# Allegro board 1156197-TDI_VU3P_QSFP28_CXP_V001_1023A-166-20241121_1644_PCB.brd (continued)
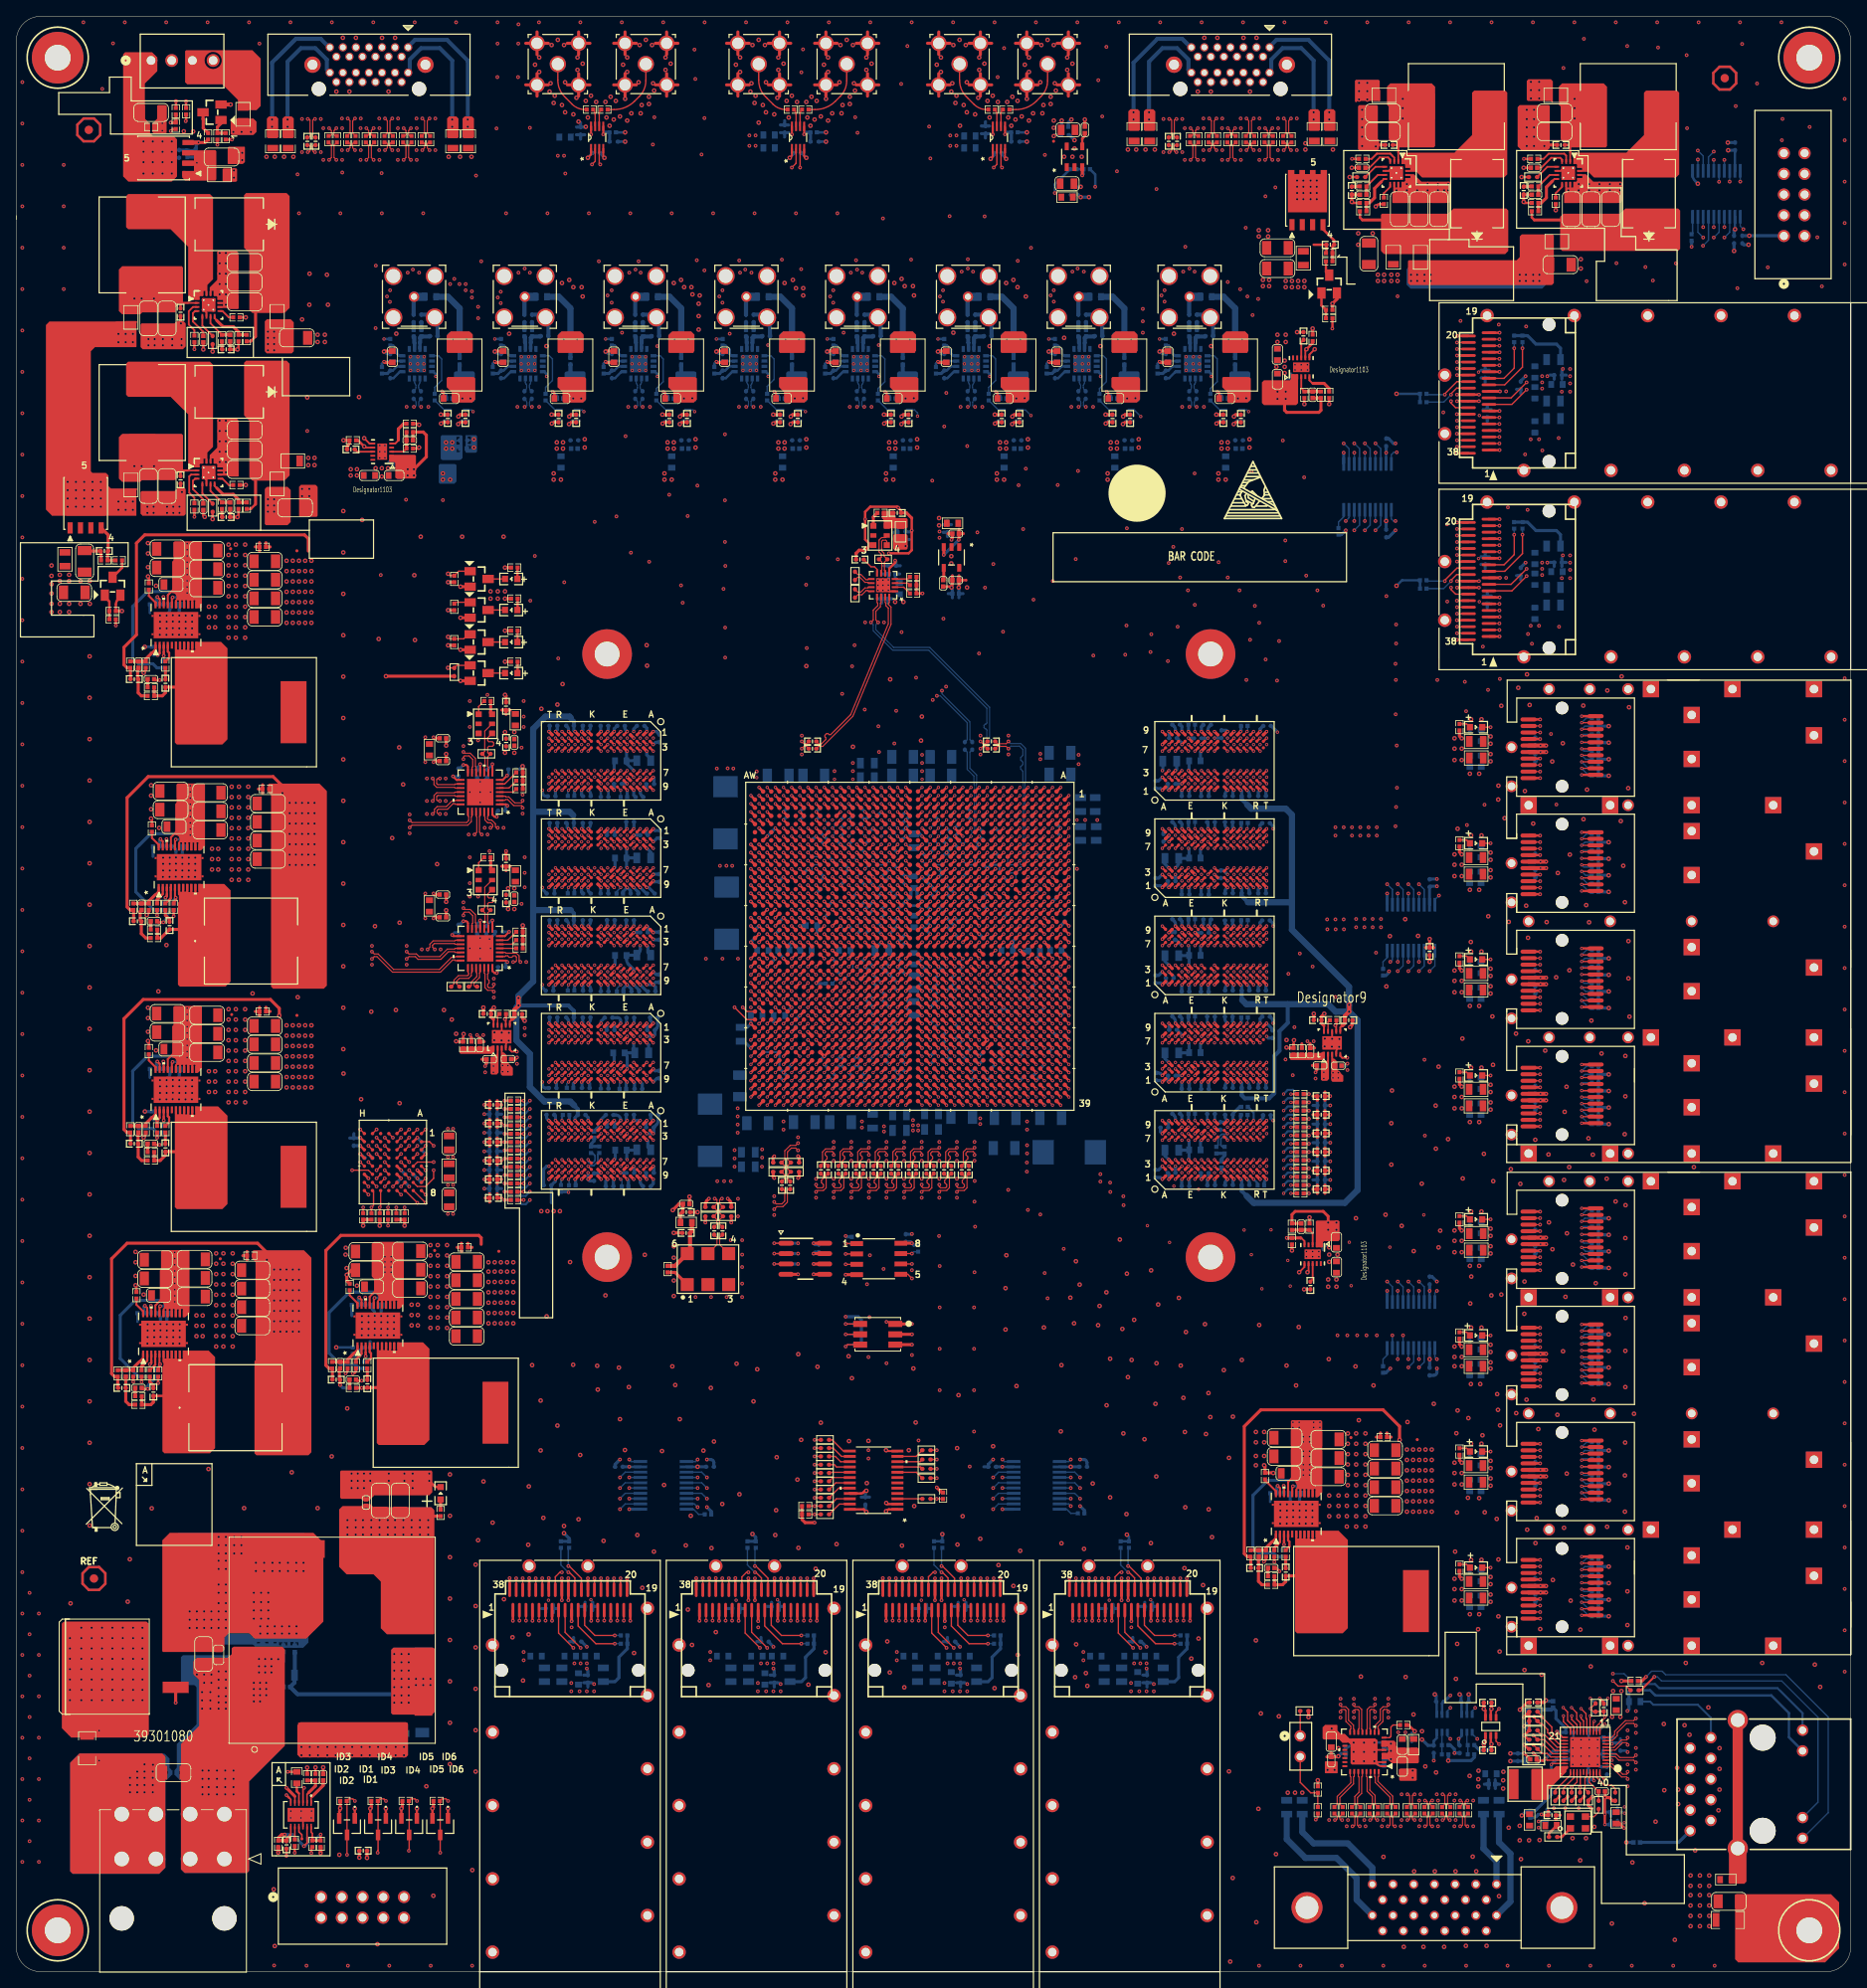
[diagram p0: board, top side]
## Nets (continued)
CHA_QSFP4_VCCRX: C496.1 C497.1(CAP2) J9.10(VCCRX) L28.2
CHA_QSFP4_VCCTX: C498.1 C499.1(CAP2) J9.29(VCCTX) L29.2
CHA_QSFP5_I2C_SCL: J11.11(SCL) R258.2 R511.2
CHA_QSFP5_I2C_SDA: J11.12(SDA) R259.2 R510.2
CHA_QSFP5_INTL: J11.28(INTL) R261.2
CHA_QSFP5_LPMODE: J11.31(LPMODE) U22.12(B8)
CHA_QSFP5_LPMODE_1V8: U1.P26(IO_L19N_T3L_N1_DBC_AD9N_45) U22.9(A8)
CHA_QSFP5_MODPRSL: J11.27(MODPRSL) R260.2 U22.13(B7)
CHA_QSFP5_MODPRSL_1V8: U1.M24(IO_L22P_T3U_N6_DBC_AD0P_45) U22.8(A7)
CHA_QSFP5_MODSEIL: J11.8(MODSELL) U22.15(B5)
CHA_QSFP5_MODSEIL_1V8: U1.N24(IO_L21N_T3L_N5_AD8N_45) U22.6(A5)
CHA_QSFP5_RESETL: J11.9(RESETL) U22.14(B6)
CHA_QSFP5_RESETL_1V8: U1.P25(IO_L19P_T3L_N0_DBC_AD9P_45) U22.7(A6)
CHA_QSFP5_RX0_N: J11.18(RX1N) U1.AL39(MGTYRXN0_125)
CHA_QSFP5_RX0_P: J11.17(RX1P) U1.AL38(MGTYRXP0_125)
CHA_QSFP5_RX1_N: J11.21(RX2N) U1.AJ39(MGTYRXN1_125)
CHA_QSFP5_RX1_P: J11.22(RX2P) U1.AJ38(MGTYRXP1_125)
CHA_QSFP5_RX2_N: J11.15(RX3N) U1.AG39(MGTYRXN2_125)
CHA_QSFP5_RX2_P: J11.14(RX3P) U1.AG38(MGTYRXP2_125)
CHA_QSFP5_RX3_N: J11.24(RX4N) U1.AE39(MGTYRXN3_125)
CHA_QSFP5_RX3_P: J11.25(RX4P) U1.AE38(MGTYRXP3_125)
CHA_QSFP5_TX0_N: J11.37(TX1N) U1.AM36(MGTYTXN0_125)
CHA_QSFP5_TX0_P: J11.36(TX1P) U1.AM35(MGTYTXP0_125)
CHA_QSFP5_TX1_N: J11.2(TX2N) U1.AK36(MGTYTXN1_125)
CHA_QSFP5_TX1_P: J11.3(TX2P) U1.AK35(MGTYTXP1_125)
CHA_QSFP5_TX2_N: J11.34(TX3N) U1.AH36(MGTYTXN2_125)
CHA_QSFP5_TX2_P: J11.33(TX3P) U1.AH35(MGTYTXP2_125)
CHA_QSFP5_TX3_N: J11.5(TX4N) U1.AF36(MGTYTXN3_125)
CHA_QSFP5_TX3_P: J11.6(TX4P) U1.AF35(MGTYTXP3_125)
CHA_QSFP5_VCCI: C510.1 C511.1(CAP2) J11.30(VCCL) L32.2
CHA_QSFP5_VCCRX: C506.1 C507.1(CAP2) J11.10(VCCRX) L31.2
CHA_QSFP5_VCCTX: C508.1 C509.1(CAP2) J11.29(VCCTX) L33.2
CHA_QSFP6_I2C_SCL: J13.11(SCL) R263.2 R513.2
CHA_QSFP6_I2C_SDA: J13.12(SDA) R264.2 R512.2
CHA_QSFP6_INTL: J13.28(INTL) R266.2
CHA_QSFP6_LPMODE: J13.31(LPMODE) U23.16(B4)
CHA_QSFP6_LPMODE_1V8: U1.K25(IO_L17P_T2U_N8_AD10P_45) U23.5(A4)
CHA_QSFP6_MODPRSL: J13.27(MODPRSL) R265.2 U23.17(B3)
CHA_QSFP6_MODPRSL_1V8: U1.J25(IO_L17N_T2U_N9_AD10N_45) U23.4(A3)
CHA_QSFP6_MODSEIL: J13.8(MODSELL) U23.20(B1)
CHA_QSFP6_MODSEIL_1V8: U1.J23(IO_L18P_T2U_N10_AD2P_45) U23.1(A1)
CHA_QSFP6_RESETL: J13.9(RESETL) U23.18(B2)
CHA_QSFP6_RESETL_1V8: U1.J24(IO_L18N_T2U_N11_AD2N_45) U23.3(A2)
CHA_QSFP6_RX0_N: J13.18(RX1N) U1.AC39(MGTYRXN0_126)
CHA_QSFP6_RX0_P: J13.17(RX1P) U1.AC38(MGTYRXP0_126)
CHA_QSFP6_RX1_N: J13.21(RX2N) U1.AA39(MGTYRXN1_126)
CHA_QSFP6_RX1_P: J13.22(RX2P) U1.AA38(MGTYRXP1_126)
CHA_QSFP6_RX2_N: J13.15(RX3N) U1.W39(MGTYRXN2_126)
CHA_QSFP6_RX2_P: J13.14(RX3P) U1.W38(MGTYRXP2_126)
CHA_QSFP6_RX3_N: J13.24(RX4N) U1.U39(MGTYRXN3_126)
CHA_QSFP6_RX3_P: J13.25(RX4P) U1.U38(MGTYRXP3_126)
CHA_QSFP6_TX0_N: J13.37(TX1N) U1.AD36(MGTYTXN0_126)
CHA_QSFP6_TX0_P: J13.36(TX1P) U1.AD35(MGTYTXP0_126)
CHA_QSFP6_TX1_N: J13.2(TX2N) U1.AB36(MGTYTXN1_126)
CHA_QSFP6_TX1_P: J13.3(TX2P) U1.AB35(MGTYTXP1_126)
CHA_QSFP6_TX2_N: J13.34(TX3N) U1.V36(MGTYTXN2_126)
CHA_QSFP6_TX2_P: J13.33(TX3P) U1.V35(MGTYTXP2_126)
CHA_QSFP6_TX3_N: J13.5(TX4N) U1.T36(MGTYTXN3_126)
CHA_QSFP6_TX3_P: J13.6(TX4P) U1.T35(MGTYTXP3_126)
CHA_QSFP6_VCCI: C520.1 C521.1(CAP2) J13.30(VCCL) L35.2
CHA_QSFP6_VCCRX: C514.1 C515.1(CAP2) J13.10(VCCRX) L34.2
CHA_QSFP6_VCCTX: C516.1(CAP2) C517.1 J13.29(VCCTX) L36.2
CHA_QSFP7_I2C_SCL: J15.11(SCL) R267.2 R515.2
CHA_QSFP7_I2C_SDA: J15.12(SDA) R268.2 R514.2
CHA_QSFP7_INTL: J15.28(INTL) R270.2
CHA_QSFP7_LPMODE: J15.31(LPMODE) U23.12(B8)
CHA_QSFP7_LPMODE_1V8: U1.M25(IO_L22N_T3U_N7_DBC_AD0N_45) U23.9(A8)
CHA_QSFP7_MODPRSL: J15.27(MODPRSL) R269.2 U23.13(B7)
CHA_QSFP7_MODPRSL_1V8: U1.N26(IO_L24P_T3U_N10_45) U23.8(A7)
CHA_QSFP7_MODSEIL: J15.8(MODSELL) U23.15(B5)
CHA_QSFP7_MODSEIL_1V8: U1.L25(IO_L20N_T3L_N3_AD1N_45) U23.6(A5)
CHA_QSFP7_RESETL: J15.9(RESETL) U23.14(B6)
CHA_QSFP7_RESETL_1V8: U1.M26(IO_L24N_T3U_N11_45) U23.7(A6)
CHA_QSFP7_RX0_N: J15.18(RX1N) U1.R39(MGTYRXN0_127)
CHA_QSFP7_RX0_P: J15.17(RX1P) U1.R38(MGTYRXP0_127)
CHA_QSFP7_RX1_N: J15.21(RX2N) U1.N39(MGTYRXN1_127)
CHA_QSFP7_RX1_P: J15.22(RX2P) U1.N38(MGTYRXP1_127)
CHA_QSFP7_RX2_N: J15.15(RX3N) U1.L39(MGTYRXN2_127)
CHA_QSFP7_RX2_P: J15.14(RX3P) U1.L38(MGTYRXP2_127)
CHA_QSFP7_RX3_N: J15.24(RX4N) U1.J39(MGTYRXN3_127)
CHA_QSFP7_RX3_P: J15.25(RX4P) U1.J38(MGTYRXP3_127)
CHA_QSFP7_TX0_N: J15.37(TX1N) U1.P36(MGTYTXN0_127)
CHA_QSFP7_TX0_P: J15.36(TX1P) U1.P35(MGTYTXP0_127)
CHA_QSFP7_TX1_N: J15.2(TX2N) U1.M36(MGTYTXN1_127)
CHA_QSFP7_TX1_P: J15.3(TX2P) U1.M35(MGTYTXP1_127)
CHA_QSFP7_TX2_N: J15.34(TX3N) U1.K36(MGTYTXN2_127)
CHA_QSFP7_TX2_P: J15.33(TX3P) U1.K35(MGTYTXP2_127)
CHA_QSFP7_TX3_N: J15.5(TX4N) U1.H36(MGTYTXN3_127)
CHA_QSFP7_TX3_P: J15.6(TX4P) U1.H35(MGTYTXP3_127)
CHA_QSFP7_VCCI: C528.1 C529.1(CAP2) J15.30(VCCL) L39.2
CHA_QSFP7_VCCRX: C524.1 C525.1(CAP2) J15.10(VCCRX) L37.2
CHA_QSFP7_VCCTX: C526.1 C527.1(CAP2) J15.29(VCCTX) L38.2
CHA_ROVP: R393.2 R395.1 U47.5(ROVP)
CHA_SFP0_VCCRX: C429.1 C430.1(CAP2) L6.2 P1.A15(A_VCCR)
CHA_SFP0_VCCTX: C424.1(CAP2) C431.1 L7.2 P1.A16(A_VCCT)
CHA_SFP1_VCCRX: C425.1 C426.1(CAP2) L8.2 P1.B15(B_VCCR)
CHA_SFP1_VCCTX: C434.1 C435.1(CAP2) L9.2 P1.B16(B_VCCT)
CHA_SFP2_VCCRX: C440.1 C441.1(CAP2) L10.2 P1.C15(C_VCCR)
CHA_SFP2_VCCTX: C442.1 C443.1(CAP2) L11.2 P1.C16(C_VCCT)
CHA_SFP3_VCCRX: C446.1 C447.1(CAP2) L12.2 P1.D15(D_VCCR)
CHA_SFP3_VCCTX: C448.1 C449.1(CAP2) L13.2 P1.D16(D_VCCT)
CHA_SFP4_VCCRX: C452.1 C455.1(CAP2) L14.2 P2.A15(A_VCCR)
CHA_SFP4_VCCTX: C456.1 C457.1(CAP2) L15.2 P2.A16(A_VCCT)
CHA_SFP5_VCCRX: C454.1(CAP2) C459.1 L16.2 P2.B15(B_VCCR)
CHA_SFP5_VCCTX: C462.1 C463.1(CAP2) L17.2 P2.B16(B_VCCT)
CHA_SFP6_VCCRX: C466.1 C467.1(CAP2) L18.2 P2.C15(C_VCCR)
CHA_SFP6_VCCTX: C468.1 C469.1(CAP2) L19.2 P2.C16(C_VCCT)
CHA_SFP7_VCCRX: C472.1 C473.1(CAP2) L20.2 P2.D15(D_VCCR)
CHA_SFP7_VCCTX: C474.1 C475.1(CAP2) L21.2 P2.D16(D_VCCT)
CHA_SFP+_0_LOS: DS4.2 P1.A8(A_LOS) R177.2 U19.18(B2)
CHA_SFP+_0_LOS_1V8: U1.A29(IO_L23N_T3U_N9_44) U19.3(A2)
CHA_SFP+_0_RXD_N: P1.A12(A_RXD_N) U1.G39(MGTYRXN0_128)
CHA_SFP+_0_RXD_P: P1.A13(A_RXD_P) U1.G38(MGTYRXP0_128)
CHA_SFP+_0_TX_DISABLE: P1.A3(A_TX_DISABLE) R173.2 U19.20(B1)
CHA_SFP+_0_TX_DISABLE_1V8: U1.A28(IO_L23P_T3U_N8_44) U19.1(A1)
CHA_SFP+_0_TXD_N: P1.A19(A_TXD_N) U1.F36(MGTYTXN0_128)
CHA_SFP+_0_TXD_P: P1.A18(A_TXD_P) U1.F35(MGTYTXP0_128)
CHA_SFP+_1_LOS: DS5.2 P1.B8(B_LOS) R185.2 U19.16(B4)
CHA_SFP+_1_LOS_1V8: U1.C29(IO_L22P_T3U_N6_DBC_AD0P_44) U19.5(A4)
CHA_SFP+_1_RXD_N: P1.B12(B_RXD_N) U1.E39(MGTYRXN1_128)
CHA_SFP+_1_RXD_P: P1.B13(B_RXD_P) U1.E38(MGTYRXP1_128)
CHA_SFP+_1_TX_DISABLE: P1.B3(B_TX_DISABLE) R179.2 U19.17(B3)
CHA_SFP+_1_TX_DISABLE_1V8: U1.C28(IO_L21N_T3L_N5_AD8N_44) U19.4(A3)
CHA_SFP+_1_TXD_N: P1.B19(B_TXD_N) U1.D36(MGTYTXN1_128)
CHA_SFP+_1_TXD_P: P1.B18(B_TXD_P) U1.D35(MGTYTXP1_128)
CHA_SFP+_2_LOS: DS6.2 P1.C8(C_LOS) R194.2 U19.14(B6)
CHA_SFP+_2_LOS_1V8: U1.M27(IO_L5N_T0U_N9_AD14N_44) U19.7(A6)
CHA_SFP+_2_RXD_N: P1.C12(C_RXD_N) U1.C39(MGTYRXN2_128)
CHA_SFP+_2_RXD_P: P1.C13(C_RXD_P) U1.C38(MGTYRXP2_128)
CHA_SFP+_2_TX_DISABLE: P1.C3(C_TX_DISABLE) R187.2 U19.15(B5)
CHA_SFP+_2_TX_DISABLE_1V8: U1.B29(IO_L22N_T3U_N7_DBC_AD0N_44) U19.6(A5)
CHA_SFP+_2_TXD_N: P1.C19(C_TXD_N) U1.C34(MGTYTXN2_128)
CHA_SFP+_2_TXD_P: P1.C18(C_TXD_P) U1.C33(MGTYTXP2_128)
CHA_SFP+_3_LOS: DS7.2 P1.D8(D_LOS) R202.2 U19.12(B8)
CHA_SFP+_3_LOS_1V8: U1.N27(IO_L5P_T0U_N8_AD14P_44) U19.9(A8)
CHA_SFP+_3_RXD_N: P1.D12(D_RXD_N) U1.B37(MGTYRXN3_128)
CHA_SFP+_3_RXD_P: P1.D13(D_RXD_P) U1.B36(MGTYRXP3_128)
CHA_SFP+_3_TX_DISABLE: P1.D3(D_TX_DISABLE) R196.2 U19.13(B7)
CHA_SFP+_3_TX_DISABLE_1V8: U1.D28(IO_L21P_T3L_N4_AD8P_44) U19.8(A7)
CHA_SFP+_3_TXD_N: P1.D19(D_TXD_N) U1.A34(MGTYTXN3_128)
CHA_SFP+_3_TXD_P: P1.D18(D_TXD_P) U1.A33(MGTYTXP3_128)
CHA_SFP+_4_LOS: DS8.2 P2.A8(A_LOS) R214.2 U20.18(B2)
CHA_SFP+_4_LOS_1V8: U1.M31(IO_L3N_T0L_N5_AD15N_44) U20.3(A2)
CHA_SFP+_4_RXD_N: P2.A12(A_RXD_N) U1.B3(MGTYRXN3_228)
CHA_SFP+_4_RXD_P: P2.A13(A_RXD_P) U1.B4(MGTYRXP3_228)
CHA_SFP+_4_TX_DISABLE: P2.A3(A_TX_DISABLE) R208.2 U20.20(B1)
CHA_SFP+_4_TX_DISABLE_1V8: U1.P30(IO_L4N_T0U_N7_DBC_AD7N_44) U20.1(A1)
CHA_SFP+_4_TXD_N: P2.A19(A_TXD_N) U1.A6(MGTYTXN3_228)
CHA_SFP+_4_TXD_P: P2.A18(A_TXD_P) U1.A7(MGTYTXP3_228)
CHA_SFP+_5_LOS: DS9.2 P2.B8(B_LOS) R223.2 U20.16(B4)
CHA_SFP+_5_LOS_1V8: U1.L30(IO_L2N_T0L_N3_44) U20.5(A4)
CHA_SFP+_5_RXD_N: P2.B12(B_RXD_N) U1.C1(MGTYRXN2_228)
CHA_SFP+_5_RXD_P: P2.B13(B_RXD_P) U1.C2(MGTYRXP2_228)
CHA_SFP+_5_TX_DISABLE: P2.B3(B_TX_DISABLE) R216.2 U20.17(B3)
CHA_SFP+_5_TX_DISABLE_1V8: U1.N31(IO_L3P_T0L_N4_AD15P_44) U20.4(A3)
CHA_SFP+_5_TXD_N: P2.B19(B_TXD_N) U1.C6(MGTYTXN2_228)
CHA_SFP+_5_TXD_P: P2.B18(B_TXD_P) U1.C7(MGTYTXP2_228)
CHA_SFP+_6_LOS: DS10.2 P2.C8(C_LOS) R231.2 U20.14(B6)
CHA_SFP+_6_LOS_1V8: U1.L29(IO_L2P_T0L_N2_44) U20.7(A6)
CHA_SFP+_6_RXD_N: P2.C12(C_RXD_N) U1.E1(MGTYRXN1_228)
CHA_SFP+_6_RXD_P: P2.C13(C_RXD_P) U1.E2(MGTYRXP1_228)
CHA_SFP+_6_TX_DISABLE: P2.C3(C_TX_DISABLE) R225.2 U20.15(B5)
CHA_SFP+_6_TX_DISABLE_1V8: U1.P29(IO_L4P_T0U_N6_DBC_AD7P_44) U20.6(A5)
CHA_SFP+_6_TXD_N: P2.C19(C_TXD_N) U1.D4(MGTYTXN1_228)
CHA_SFP+_6_TXD_P: P2.C18(C_TXD_P) U1.D5(MGTYTXP1_228)
CHA_SFP+_7_LOS: DS11.2 P2.D8(D_LOS) R239.2 U20.12(B8)
CHA_SFP+_7_LOS_1V8: U1.M29(IO_L1P_T0L_N0_DBC_44) U20.9(A8)
CHA_SFP+_7_RXD_N: P2.D12(D_RXD_N) U1.G1(MGTYRXN0_228)
CHA_SFP+_7_RXD_P: P2.D13(D_RXD_P) U1.G2(MGTYRXP0_228)
CHA_SFP+_7_TX_DISABLE: P2.D3(D_TX_DISABLE) R233.2 U20.13(B7)
CHA_SFP+_7_TX_DISABLE_1V8: U1.M30(IO_L1N_T0L_N1_DBC_44) U20.8(A7)
CHA_SFP+_7_TXD_N: P2.D19(D_TXD_N) U1.F4(MGTYTXN0_228)
CHA_SFP+_7_TXD_P: P2.D18(D_TXD_P) U1.F5(MGTYTXP0_228)
CHA_TEMP_ALERT: R54.2 U1.AN25(IO_L11P_T1U_N8_GC_64) U6.3(ALERT)
CHA_TEMP_SCL: R53.2 U1.AR26(IO_L10N_T1U_N7_QBC_AD4N_64) U6.2(SCL)
CHA_TEMP_SDA: R52.2 U1.AR25(IO_L10P_T1U_N6_QBC_AD4P_64) U6.1(SDA)
CHA_VCCAUX: C219.1 C220.1 C221.1(CAP2) C222.1(CAP2) C223.1(CAP2) C224.1(CAP2) C225.1(CAP2) C226.1(CAP2) C227.1(CAP2) C228.1(CAP2) C229.1 C230.1 C231.1(CAP2) C232.1(CAP2) C233.1(CAP2) C234.1(CAP2) L5.1 U1.AA26(VCCAUX_IO0) U1.AA28(VCCAUX_IO1) U1.AA30(VCCAUX0) U1.AB27(VCCAUX_IO2) U1.AB29(VCCAUX_IO3) U1.AB31(VCCAUX1) U1.AC26(VCCAUX_IO4) U1.AC28(VCCAUX_IO5) U1.AC30(VCCAUX2) U1.AD27(VCCAUX_IO6) U1.AD29(VCCAUX_IO7) U1.AD31(VCCAUX3) U1.AE26(VCCAUX_IO8) U1.AE28(VCCAUX_IO9) U1.AE30(VCCAUX4) U1.AF31(VCCAUX5) U1.P31(VCCAUX6) U1.R26(VCCAUX_IO10) U1.R28(VCCAUX_IO11) U1.R30(VCCAUX7) U1.T27(VCCAUX_IO12) U1.T29(VCCAUX_IO13) U1.T31(VCCAUX8) U1.U26(VCCAUX_IO14) U1.U28(VCCAUX_IO15) U1.U30(VCCAUX9) U1.V27(VCCAUX_IO16) U1.V29(VCCAUX_IO17) U1.V31(VCCAUX10) U1.W26(VCCAUX_IO18) U1.W28(VCCAUX_IO19) U1.W30(VCCAUX11) U1.Y27(VCCAUX_IO20) U1.Y29(VCCAUX_IO21) U1.Y31(VCCAUX12)
CHA_VCCINT: C106.1 C107.1 C108.1 C109.1 C110.1(CAP2) C111.1(CAP2) C112.1(CAP2) C113.1(CAP2) C114.1(CAP2) C115.1(CAP2) C116.1(CAP2) C137.1 C138.1 C139.1(CAP2) C140.1(CAP2) C141.1(CAP2) C142.1(CAP2) C143.1(CAP2) C144.1(CAP2) C145.1(CAP2) C146.1(CAP2) C147.1(CAP2) C148.1(CAP2) C179.1(CAP2) C180.1(CAP2) C181.1(CAP2) C182.1(CAP2) C183.1(CAP2) C184.1(CAP2) C185.1(CAP2) C186.1(CAP2) C187.1(CAP2) C188.1(CAP2) C653.2(CAP1) C656.1(CAP2) C657.1(CAP2) C658.1(CAP2) C659.1(CAP2) C660.1(CAP2) C909.1(CAP2) C910.1(CAP2) C911.1(CAP2) C912.1(CAP2) C913.1(CAP2) C914.1(CAP2) C915.1(CAP2) C916.1(CAP2) C917.1(CAP2) C918.1(CAP2) L73.1 R8.1 R336.1 R343.2 TP47.1(PIN1) U1.AA12(VCCINT0) U1.AA14(VCCINT1) U1.AA18(VCCINT2) U1.AA20(VCCINT3) U1.AA22(VCCINT4) U1.AA24(VCCINT_IO0) U1.AB9(VCCBRAM1) U1.AB11(VCCBRAM0) U1.AB13(VCCINT5) U1.AB17(VCCINT6) U1.AB19(VCCINT7) U1.AB21(VCCINT8) U1.AB23(VCCINT9) U1.AB25(VCCINT_IO1) U1.AC10(VCCBRAM2) U1.AC12(VCCINT10) U1.AC14(VCCINT11) U1.AC16(VCCINT12) U1.AC18(VCCINT13) U1.AC20(VCCINT14) U1.AC22(VCCINT15) U1.AC24(VCCINT_IO2) U1.AD9(VCCBRAM3) U1.AD11(VCCINT16) U1.AD13(VCCINT17) U1.AD15(VCCINT18) U1.AD17(VCCINT19) U1.AD19(VCCINT20) U1.AD21(VCCINT21) U1.AD23(VCCINT22) U1.AD25(VCCINT_IO3) U1.AE10(VCCBRAM4) U1.AE12(VCCINT23) U1.AE14(VCCINT24) U1.AE16(VCCINT25) U1.AE18(VCCINT26) U1.AE20(VCCINT27) U1.AE22(VCCINT28) U1.AE24(VCCINT_IO4) U1.AF11(VCCBRAM5) U1.AF13(VCCINT29) U1.AF17(VCCINT30) U1.AF25(VCCINT_IO5) U1.P13(VCCINT31) U1.P15(VCCINT32) U1.P17(VCCINT33) U1.P19(VCCINT34) U1.R10(VCCBRAM6) U1.R12(VCCINT35) U1.R14(VCCINT36) U1.R16(VCCINT37) U1.R18(VCCINT38) U1.R20(VCCINT39) U1.R22(VCCINT40) U1.R24(VCCINT_IO6) U1.T9(VCCBRAM7) U1.T11(VCCINT41) U1.T13(VCCINT42) U1.T15(VCCINT43) U1.T17(VCCINT44) U1.T19(VCCINT45) U1.T21(VCCINT46) U1.T23(VCCINT47) U1.T25(VCCINT_IO7) U1.U10(VCCBRAM8) U1.U12(VCCINT48) U1.U14(VCCINT49) U1.U16(VCCINT50) U1.U18(VCCINT51) U1.U20(VCCINT52) U1.U22(VCCINT53) U1.U24(VCCINT_IO8) U1.V9(VCCBRAM10) U1.V11(VCCBRAM9) U1.V13(VCCINT54) U1.V15(VCCINT55) U1.V17(VCCINT56) U1.V19(VCCINT57) U1.V21(VCCINT58) U1.V23(VCCINT59) U1.V25(VCCINT_IO9) U1.W12(VCCINT60) U1.W14(VCCINT61) U1.W18(VCCINT62) U1.W20(VCCINT63) U1.W22(VCCINT64) U1.W24(VCCINT_IO10) U1.Y11(VCCBRAM11) U1.Y13(VCCINT65) U1.Y17(VCCINT66) U1.Y19(VCCINT67) U1.Y21(VCCINT68) U1.Y23(VCCINT69) U1.Y25(VCCINT_IO11)
CHA_VCCINT_EN: C667.1(CAP2) R345.2 R346.2 U43.2(EN)
CHA_VCCINT_GOOD: R344.2 R371.2 U43.3(PGOOD)
CLK_SEL: J3.2 R35.1 R579.1 U1.N23(IO_T3U_N12_45)
DDR4_1V2: C44.1 C45.1 C46.1(CAP2) C47.1(CAP2) C48.1(CAP2) C49.1 C50.1 C51.1(CAP2) C52.1(CAP2) C53.1(CAP2) C56.1 C57.1 C58.1(CAP2) C59.1(CAP2) C60.1(CAP2) C61.1 C62.1(CAP2) C63.1(CAP2) C64.1 C65.1 C66.1(CAP2) C67.1 C68.1(CAP2) C69.1(CAP2) C70.1(CAP2) C73.1 C74.1 C75.1(CAP2) C76.1(CAP2) C77.1(CAP2) C238.1 C239.1 C240.1(CAP2) C241.1(CAP2) C242.1(CAP2) C243.1(CAP2) C244.1(CAP2) C245.1(CAP2) C246.1 C247.1 C248.1 C249.1 C251.1 C252.1 C253.1(CAP2) C254.1(CAP2) C255.1(CAP2) C256.1(CAP2) C257.1(CAP2) C258.1(CAP2) C259.1 C260.1 C261.1 C262.1 C266.1 C267.1 C268.1(CAP2) C269.1(CAP2) C270.1(CAP2) C271.1(CAP2) C272.1(CAP2) C273.1(CAP2) C274.1 C275.1 C276.1 C277.1 C284.1 C285.1 C286.1(CAP2) C287.1(CAP2) C288.1(CAP2) C289.1(CAP2) C290.1(CAP2) C291.1(CAP2) C292.1 C293.1 C294.1 C295.1 C296.1 C297.1 C298.1(CAP2) C299.1(CAP2) C300.1(CAP2) C301.1(CAP2) C302.1(CAP2) C303.1(CAP2) C304.1 C305.1 C306.1 C307.1 C323.1 C324.1 C329.2(CAP1) C332.1 C333.1 C334.1(CAP2) C335.1(CAP2) C336.1(CAP2) C337.1(CAP2) C338.1(CAP2) C339.1(CAP2) C340.1 C341.1 C342.1 C343.1 C345.1 C346.1 C347.1(CAP2) C348.1(CAP2) C349.1(CAP2) C350.1(CAP2) C351.1(CAP2) C352.1(CAP2) C353.1 C354.1 C355.1 C356.1 C360.1 C361.1 C362.1(CAP2) C363.1(CAP2) C364.1(CAP2) C365.1(CAP2) C366.1(CAP2) C367.1(CAP2) C368.1 C369.1 C370.1 C371.1 C378.1 C379.1 C380.1(CAP2) C381.1(CAP2) C382.1(CAP2) C383.1(CAP2) C384.1(CAP2) C385.1(CAP2) C386.1 C387.1 C388.1 C389.1 C390.1 C391.1 C392.1(CAP2) C393.1(CAP2) C394.1(CAP2) C395.1(CAP2) C396.1(CAP2) C397.1(CAP2) C398.1 C399.1 C400.1 C401.1 C417.1 C418.1 C423.2(CAP1) C670.2(CAP1) C673.1(CAP2) C674.1(CAP2) C675.1(CAP2) C676.1(CAP2) L74.1 R65.2 R66.2 R76.2 R77.2 R93.1 R115.1 R136.1 R158.1 R348.1 R355.2 TP49.1(PIN1) U1.A16(VCCO0_48) U1.AF9(VCCO0_68) U1.AF19(VCCO0_66) U1.AG16(VCCO0_67) U1.AH13(VCCO1_67) U1.AJ10(VCCO1_68) U1.AJ20(VCCO1_66) U1.AK17(VCCO2_67) U1.AL14(VCCO3_67) U1.AM11(VCCO2_68) U1.AM21(VCCO2_66) U1.AN8(VCCO3_68) U1.AN18(VCCO3_66) U1.AP15(VCCO4_67) U1.AR12(VCCO4_68) U1.AT9(VCCO5_68) U1.AT19(VCCO4_66) U1.AU16(VCCO5_67) U1.AV13(VCCO6_67) U1.AW10(VCCO6_68) U1.AW20(VCCO5_66) U1.B13(VCCO1_48) U1.C10(VCCO0_47) U1.C20(VCCO0_46) U1.D17(VCCO2_48) U1.E14(VCCO3_48) U1.F11(VCCO1_47) U1.F21(VCCO1_46) U1.G8(VCCO2_47) U1.G18(VCCO2_46) U1.H15(VCCO4_48) U1.J12(VCCO3_47) U1.J22(VCCO3_46) U1.K9(VCCO4_47) U1.K19(VCCO4_46) U1.L16(VCCO5_48) U1.M13(VCCO6_48) U1.N10(VCCO5_47) U1.N20(VCCO5_46) U7.A1(VDDQ1) U7.A9(VDDQ2) U7.B3(VDD1) U7.B9(VDD2) U7.C1(VDDQ3) U7.D1(VDD3) U7.D9(VDDQ4) U7.F2(VDDQ5) U7.F8(VDDQ6) U7.G1(VDDQ7) U7.G7(VDD4) U7.G9(VDDQ8) U7.J1(VDD5) U7.J2(VDDQ9) U7.J8(VDDQ10) U7.J9(VDD6) U7.L1(VDD7) U7.L9(VDD8) U7.R1(VDD9) U7.T9(VDD10) U8.A1(VDDQ1) U8.A9(VDDQ2) U8.B3(VDD1) U8.B9(VDD2) U8.C1(VDDQ3) U8.D1(VDD3) U8.D9(VDDQ4) U8.F2(VDDQ5) U8.F8(VDDQ6) U8.G1(VDDQ7) U8.G7(VDD4) U8.G9(VDDQ8) U8.J1(VDD5) U8.J2(VDDQ9) U8.J8(VDDQ10) U8.J9(VDD6) U8.L1(VDD7) U8.L9(VDD8) U8.R1(VDD9) U8.T9(VDD10) U9.A1(VDDQ1) U9.A9(VDDQ2) U9.B3(VDD1) U9.B9(VDD2) U9.C1(VDDQ3) U9.D1(VDD3) U9.D9(VDDQ4) U9.F2(VDDQ5) U9.F8(VDDQ6) U9.G1(VDDQ7) U9.G7(VDD4) U9.G9(VDDQ8) U9.J1(VDD5) U9.J2(VDDQ9) U9.J8(VDDQ10) U9.J9(VDD6) U9.L1(VDD7) U9.L9(VDD8) U9.R1(VDD9) U9.T9(VDD10) U10.A1(VDDQ1) U10.A9(VDDQ2) U10.B3(VDD1) U10.B9(VDD2) U10.C1(VDDQ3) U10.D1(VDD3) U10.D9(VDDQ4) U10.F2(VDDQ5) U10.F8(VDDQ6) U10.G1(VDDQ7) U10.G7(VDD4) U10.G9(VDDQ8) U10.J1(VDD5) U10.J2(VDDQ9) U10.J8(VDDQ10) U10.J9(VDD6) U10.L1(VDD7) U10.L9(VDD8) U10.R1(VDD9) U10.T9(VDD10) U11.A1(VDDQ1) U11.A9(VDDQ2) U11.B3(VDD1) U11.B9(VDD2) U11.C1(VDDQ3) U11.D1(VDD3) U11.D9(VDDQ4) U11.F2(VDDQ5) U11.F8(VDDQ6) U11.G1(VDDQ7) U11.G7(VDD4) U11.G9(VDDQ8) U11.J1(VDD5) U11.J2(VDDQ9) U11.J8(VDDQ10) U11.J9(VDD6) U11.L1(VDD7) U11.L9(VDD8) U11.R1(VDD9) U11.T9(VDD10) U12.2(VLDOIN) U13.A1(VDDQ1) U13.A9(VDDQ2) U13.B3(VDD1) U13.B9(VDD2) U13.C1(VDDQ3) U13.D1(VDD3) U13.D9(VDDQ4) U13.F2(VDDQ5) U13.F8(VDDQ6) U13.G1(VDDQ7) U13.G7(VDD4) U13.G9(VDDQ8) U13.J1(VDD5) U13.J2(VDDQ9) U13.J8(VDDQ10) U13.J9(VDD6) U13.L1(VDD7) U13.L9(VDD8) U13.R1(VDD9) U13.T9(VDD10) U14.A1(VDDQ1) U14.A9(VDDQ2) U14.B3(VDD1) U14.B9(VDD2) U14.C1(VDDQ3) U14.D1(VDD3) U14.D9(VDDQ4) U14.F2(VDDQ5) U14.F8(VDDQ6) U14.G1(VDDQ7) U14.G7(VDD4) U14.G9(VDDQ8) U14.J1(VDD5) U14.J2(VDDQ9) U14.J8(VDDQ10) U14.J9(VDD6) U14.L1(VDD7) U14.L9(VDD8) U14.R1(VDD9) U14.T9(VDD10) U15.A1(VDDQ1) U15.A9(VDDQ2) U15.B3(VDD1) U15.B9(VDD2) U15.C1(VDDQ3) U15.D1(VDD3) U15.D9(VDDQ4) U15.F2(VDDQ5) U15.F8(VDDQ6) U15.G1(VDDQ7) U15.G7(VDD4) U15.G9(VDDQ8) U15.J1(VDD5) U15.J2(VDDQ9) U15.J8(VDDQ10) U15.J9(VDD6) U15.L1(VDD7) U15.L9(VDD8) U15.R1(VDD9) U15.T9(VDD10) U16.A1(VDDQ1) U16.A9(VDDQ2) U16.B3(VDD1) U16.B9(VDD2) U16.C1(VDDQ3) U16.D1(VDD3) U16.D9(VDDQ4) U16.F2(VDDQ5) U16.F8(VDDQ6) U16.G1(VDDQ7) U16.G7(VDD4) U16.G9(VDDQ8) U16.J1(VDD5) U16.J2(VDDQ9) U16.J8(VDDQ10) U16.J9(VDD6) U16.L1(VDD7) U16.L9(VDD8) U16.R1(VDD9) U16.T9(VDD10) U17.A1(VDDQ1) U17.A9(VDDQ2) U17.B3(VDD1) U17.B9(VDD2) U17.C1(VDDQ3) U17.D1(VDD3) U17.D9(VDDQ4) U17.F2(VDDQ5) U17.F8(VDDQ6) U17.G1(VDDQ7) U17.G7(VDD4) U17.G9(VDDQ8) U17.J1(VDD5) U17.J2(VDDQ9) U17.J8(VDDQ10) U17.J9(VDD6) U17.L1(VDD7) U17.L9(VDD8) U17.R1(VDD9) U17.T9(VDD10) U18.2(VLDOIN)
DDR4_1V2_EN: R378.1 R381.1 U44.2(EN)
DDR4_1V2_GOOD: R356.2 R382.2 U44.3(PGOOD)
DDR4_2V5_PG: R378.2 R410.2 U50.5(PG)
DDR4_200M_N: R471.2 U60.7(IN0_N) X1.5(CLKN)
DDR4_200M_P: R471.1 U60.6(IN0_P) X1.4(CLKP)
DDR4_CLK1_N_200M: C55.1(CAP2) U60.16(OUT3_N)
DDR4_CLK1_P_200M: C54.1(CAP2) U60.15(OUT3_P)
DDR4_CLK2_N_200M: C72.1(CAP2) U60.14(OUT2_N)
DDR4_CLK2_P_200M: C71.1(CAP2) U60.13(OUT2_P)
EEPROM_CS_B: R22.2 U1.AH29(IO_L23N_T3U_N9_PERSTN1_I2C_SDA_) U2.1(C\S\)
EEPROM_SCK: U1.AJ29(IO_L24N_T3U_N11_DOUT_CSO_B_65) U2.6(SCK)
EEPROM_SI: U1.AP33(IO_T1U_N12_SMBALERT_65) U2.5(SI)
EEPROM_SO: U1.AJ28(IO_L24P_T3U_N10_EMCCLK_65) U2.2(SO)
EEPROM_WP_B: U1.AJ31(IO_T3U_N12_PERSTN0_65) U2.3(W\P\)
FPGA_25M_OSC_ETH: C635.1(CAP2) R318.2 U40.37(XTAL_OUT/EXT_CLK)
FPGA_ETH_LED0: R328.1 U40.32(LED_0/CFG_EXT)
FPGA_ETH_LED1: R331.1 R334.1 U40.33(LED_1/CFG_LDO0)
FPGA_ETH_LED2: R329.1 R332.2 U40.34(LED_2/CFG_LDO1)
FPGA_ETH_RESET_B: U1.D24(IO_T1U_N12_45) U41.4(B)
FPGA_ETH_RST_B: C631.1(CAP2) R314.1 R314.2 R315.1 U40.12(PHYRSTB) U41.3(A)
FPGA_RGMII_MDC: U1.N28(IO_L6P_T0U_N10_AD6P_44) U40.13(MDC)
FPGA_RGMII_MDIO: R311.1 U1.N29(IO_L6N_T0U_N11_AD6N_44) U40.14(MDIO)
FPGA_RGMII_RX_CLK: R325.1 U1.J31(IO_L12P_T1U_N10_GC_44) U40.27(RX_CLK/PHYAD1)
FPGA_RGMII_RX_CTL: R327.1 U1.H32(IO_L9P_T1L_N4_AD12P_44) U40.26(RX_CTRL/PHYAD2)
FPGA_RGMII_RXD0: R319.2 R320.1 U1.H29(IO_L7N_T1L_N1_QBC_AD13N_44) U40.25(RX_D0/RXDLY)
FPGA_RGMII_RXD1: R321.2 R322.1 U1.J29(IO_L8N_T1L_N3_AD5N_44) U40.24(RX_D1/TXDLY)
FPGA_RGMII_RXD2: R323.2 R324.1 U1.H28(IO_L7P_T1L_N0_QBC_AD13P_44) U40.23(RX_D2/PLLOFF)
FPGA_RGMII_RXD3: R326.1 U1.J28(IO_L8P_T1L_N2_AD5P_44) U40.22(RX_D3/PHYAD0)
FPGA_RGMII_TX_CLK: U1.K31(IO_T1U_N12_44) U40.20(GTX_CLK)
FPGA_RGMII_TX_CTL: U1.H33(IO_L9N_T1L_N5_AD12N_44) U40.19(TX_CTRL)
FPGA_RGMII_TXD0: U1.K30(IO_L11P_T1U_N8_GC_44) U40.18(TD_D0)
FPGA_RGMII_TXD1: U1.J30(IO_L11N_T1U_N9_GC_44) U40.17(TD_D1)
FPGA_RGMII_TXD2: U1.L27(IO_L10P_T1U_N6_QBC_AD4P_44) U40.16(TD_D2)
FPGA_RGMII_TXD3: U1.K28(IO_L10N_T1U_N7_QBC_AD4N_44) U40.15(TD_D3)
HARD_BRD_TYPE: R45.2 R46.2 U1.AG23(IO_L24N_T3U_N11_64)
HARD_ID_GPIO1: J4.6 R55.2 U1.AF23(IO_L23P_T3U_N8_64)
HARD_ID_GPIO2: J4.5 R56.2 U1.AG24(IO_L23N_T3U_N9_64)
HARD_ID_GPIO3: J4.4 R57.2 U1.AG22(IO_L24P_T3U_N10_64)
I2C_MAIN_RST: R500.2 R507.1 U1.D29(IO_T3U_N12_44)
I2C_MAIN_SCL: R499.2 R503.1 U1.C31(IO_L24P_T3U_N10_44)
I2C_MAIN_SDA: R498.2 R502.1 U1.B31(IO_L24N_T3U_N11_44)
INPUT_GND: C788.2 C789.2 C790.1(CAP2) C791.1(CAP2) C792.1(CAP2) C793.2 C794.1(CAP2) C798.1(CAP2) C800.2 C801.1(CAP2) C802.2 C803.2 C804.1(CAP2) C805.2(CAP1) C806.2(CAP1) J26.1(GND#1) J26.2(GND#2) J26.5(GND#5) J26.6(GND#6) R427.2 R436.1 R437.2 TP65.1(PIN1) U54.1(BUS-1) U54.15(BUS-2) U54.16(BUS-3) U55.10(GND) U55.13(HOTGND)
LAN_MDI0_N: J25.3 U40.2(MDIN0)
LAN_MDI0_P: J25.2 U40.1(MDIP0)
LAN_MDI1_N: J25.7 U40.5(MDIN1)
LAN_MDI1_P: J25.4 U40.4(MDIP1)
LAN_MDI2_N: J25.6 U40.7(MDIN2)
LAN_MDI2_P: J25.5 U40.6(MDIP2)
LAN_MDI3_N: J25.9 U40.10(MDIN3)
LAN_MDI3_P: J25.8 U40.9(MDIP3)
RF_ENABLE_1V8: U1.AT27(IO_L6P_T0U_N10_AD6P_64) U69.3(A)
RF_FAULT_1V8: U1.AU27(IO_L6N_T0U_N11_AD6N_64) U70.3(A)
RF_FPS_TRIGGER_N: U1.F29(IO_L18N_T2U_N11_AD2N_44) U67.12(IN1-)
RF_FPS_TRIGGER_N_C: J35.8(SERTFG-) R571.1
RF_FPS_TRIGGER_P: U1.G29(IO_L18P_T2U_N10_AD2P_44) U67.11(IN1+)
RF_FPS_TRIGGER_P_C: J35.21(SERTFG+) R569.1
RF_MOD_IN_FIXED_N: U1.A30(IO_L19N_T3L_N1_DBC_AD9N_44) U67.14(IN2-)
RF_MOD_IN_FIXED_N_C: J35.9(CC1-) R573.1
RF_MOD_IN_FIXED_P: U1.B30(IO_L19P_T3L_N0_DBC_AD9P_44) U67.13(IN2+)
RF_MOD_IN_FIXED_P_C: J35.22(CC1+) R572.1
RF_MOD_IN_VARIABLE_N: U1.D31(IO_L20N_T3L_N3_AD1N_44) U67.16(IN3-)
RF_MOD_IN_VARIABLE_N_C: J35.23(CC2-) R577.1
RF_MOD_IN_VARIABLE_P: U1.D30(IO_L20P_T3L_N2_AD1P_44) U67.15(IN3+)
RF_MOD_IN_VARIABLE_P_C: J35.10(CC2+) R575.1
RF_SYNC_N: R570.1 U1.G32(IO_L13N_T2L_N1_GC_QBC_44)
RF_SYNC_P: R568.1 U1.G31(IO_L13P_T2L_N0_GC_QBC_44)
TIMING_SPI_CLK_N: U1.F30(IO_L14N_T2L_N3_GC_44) U67.10(IN0-)
TIMING_SPI_CLK_N_C: J35.20(SERTC-) R567.1
TIMING_SPI_CLK_P: U1.G30(IO_L14P_T2L_N2_GC_44) U67.9(IN0+)
TIMING_SPI_CLK_P_C: J35.7(SERTC+) R566.1
TIMING_SPI_CSN_N: R565.1 U1.E31(IO_L15N_T2L_N5_AD11N_44)
TIMING_SPI_CSN_P: R564.1 U1.E30(IO_L15P_T2L_N4_AD11P_44)
TIMING_SPI_MISO_N: R576.1 U1.E32(IO_L16N_T2U_N7_QBC_AD3N_44)
TIMING_SPI_MISO_P: R574.1 U1.F32(IO_L16P_T2U_N6_QBC_AD3P_44)
TIMING_SPI_MOSI_N: R563.1 U1.E28(IO_L17N_T2U_N9_AD10N_44)
TIMING_SPI_MOSI_P: R562.1 U1.F28(IO_L17P_T2U_N8_AD10P_44)
TO_CAMERA2_CLK_N: C882.2(CAP1) U1.AW27(IO_L1N_T0L_N1_DBC_64)
TO_CAMERA2_CLK_P: C881.2(CAP1) U1.AV27(IO_L1P_T0L_N0_DBC_64)
TO_CAMERA2_LVDS0_N: R523.1 U1.AV25(IO_L4N_T0U_N7_DBC_AD7N_64)
TO_CAMERA2_LVDS0_P: R522.1 U1.AV24(IO_L4P_T0U_N6_DBC_AD7P_64)
TO_CAMERA2_LVDS1_N: R527.1 U1.AW26(IO_L3N_T0L_N5_AD15N_64)
TO_CAMERA2_LVDS1_P: R526.1 U1.AV26(IO_L3P_T0L_N4_AD15P_64)
TO_CAMERA2_LVDS2_N: R531.1 U1.AW24(IO_L2N_T0L_N3_64)
TO_CAMERA2_LVDS2_P: R530.1 U1.AW23(IO_L2P_T0L_N2_64)
TO_CAMERA2_RSV_LVDS0_N: R535.1 U1.AR23(IO_L9N_T1L_N5_AD12N_64)
TO_CAMERA2_RSV_LVDS0_P: R534.1 U1.AP23(IO_L9P_T1L_N4_AD12P_64)
TO_CAMERA2_RSV_LVDS1_N: R539.1 U1.AT26(IO_L8N_T1L_N3_AD5N_64)
TO_CAMERA2_RSV_LVDS1_P: R538.1 U1.AT25(IO_L8P_T1L_N2_AD5P_64)
TO_CAMERA2_RSV_LVDS2_N: R543.1 U1.AR24(IO_L7N_T1L_N1_QBC_AD13N_64)
TO_CAMERA2_RSV_LVDS2_P: R542.1 U1.AP24(IO_L7P_T1L_N0_QBC_AD13P_64)
TO_CAMERA_CLK_N: C880.2(CAP1) U1.AM25(IO_L14N_T2L_N3_GC_64)
TO_CAMERA_CLK_P: C879.2(CAP1) U1.AL25(IO_L14P_T2L_N2_GC_64)
TO_CAMERA_LVDS0_N: R518.1 U1.AL23(IO_L17N_T2U_N9_AD10N_64)
TO_CAMERA_LVDS0_P: R521.1 U1.AK23(IO_L17P_T2U_N8_AD10P_64)
TO_CAMERA_LVDS1_N: R525.1 U1.AL26(IO_L16N_T2U_N7_QBC_AD3N_64)
TO_CAMERA_LVDS1_P: R524.1 U1.AK26(IO_L16P_T2U_N6_QBC_AD3P_64)
TO_CAMERA_LVDS2_N: R529.1 U1.AM24(IO_L15N_T2L_N5_AD11N_64)
TO_CAMERA_LVDS2_P: R528.1 U1.AM23(IO_L15P_T2L_N4_AD11P_64)
TO_CAMERA_RSV_LVDS0_N: R533.2 U1.AH26(IO_L21N_T3L_N5_AD8N_64)
TO_CAMERA_RSV_LVDS0_P: R532.2 U1.AG25(IO_L21P_T3L_N4_AD8P_64)
TO_CAMERA_RSV_LVDS1_N: R537.2 U1.AJ27(IO_L19N_T3L_N1_DBC_AD9N_64)
TO_CAMERA_RSV_LVDS1_P: R536.2 U1.AJ26(IO_L19P_T3L_N0_DBC_AD9P_64)
TO_CAMERA_RSV_LVDS2_N: R541.2 U1.AH25(IO_L20N_T3L_N3_AD1N_64)
TO_CAMERA_RSV_LVDS2_P: R540.2 U1.AH24(IO_L20P_T3L_N2_AD1P_64)
TO_DATA_ACQ_1_CLK_N: C39.1(CAP2) J35.5(XCLK-)
TO_DATA_ACQ_1_CLK_P: C38.1(CAP2) J35.18(XCLK+)
VREG_1: C672.1(CAP2) R356.1 U44.18(VREG)
VREG_2: C687.1(CAP2) R367.1 U45.18(VREG)
VREG_3: C702.1(CAP2) R383.1 U46.18(VREG)
VREG_4: C655.1(CAP2) R344.1 U43.18(VREG)
VREG_5: C717.1(CAP2) R394.1 U47.18(VREG)
VREG_6: C732.1(CAP2) R405.1 U48.18(VREG)
N23163314: C329.1(CAP2) R125.2 R126.2
N23165016: C315.2(CAP1) R111.2 R115.2 U12.1(REFIN)
N23165073: R112.2 U12.9(PGOOD)
N23171960: R84.1 U7.N9(TEN)
N23171980: R85.2 U7.F9(ZQ)
N23176531: R86.1 U8.N9(TEN)
N23176551: R87.2 U8.F9(ZQ)
N23180885: R89.1 U9.N9(TEN)
N23180905: R91.2 U9.F9(ZQ)
N23181582: R121.1 U11.N9(TEN)
N23181602: R123.2 U11.F9(ZQ)
N23186587: R88.1 U10.N9(TEN)
N23186607: R90.2 U10.F9(ZQ)
N23240799: C548.2(CAP1) R277.2
N23240813: C548.1(CAP2) J18.1 L44.1
N23241133: C550.2(CAP1) R278.2
N23241235: C553.2(CAP1) R278.1 U26.3(SDI_N)
N23241584: R274.1 U26.16(TSI)
